# Altium PCB zhanji_2018-4-9-1200.PcbDoc (part 3 of 3)
Units mm, origin at the board's own origin, x right, y up, seen from the top; angles counter-clockwise.
Board outline 149.99 x 106.55 mm, 4 copper layers (Component Side, Ground Plane, POWER Layer 1, Solder Side), stack 0.844 mm thick; 249 components, 233 nets, 894 pads, 277 vias.
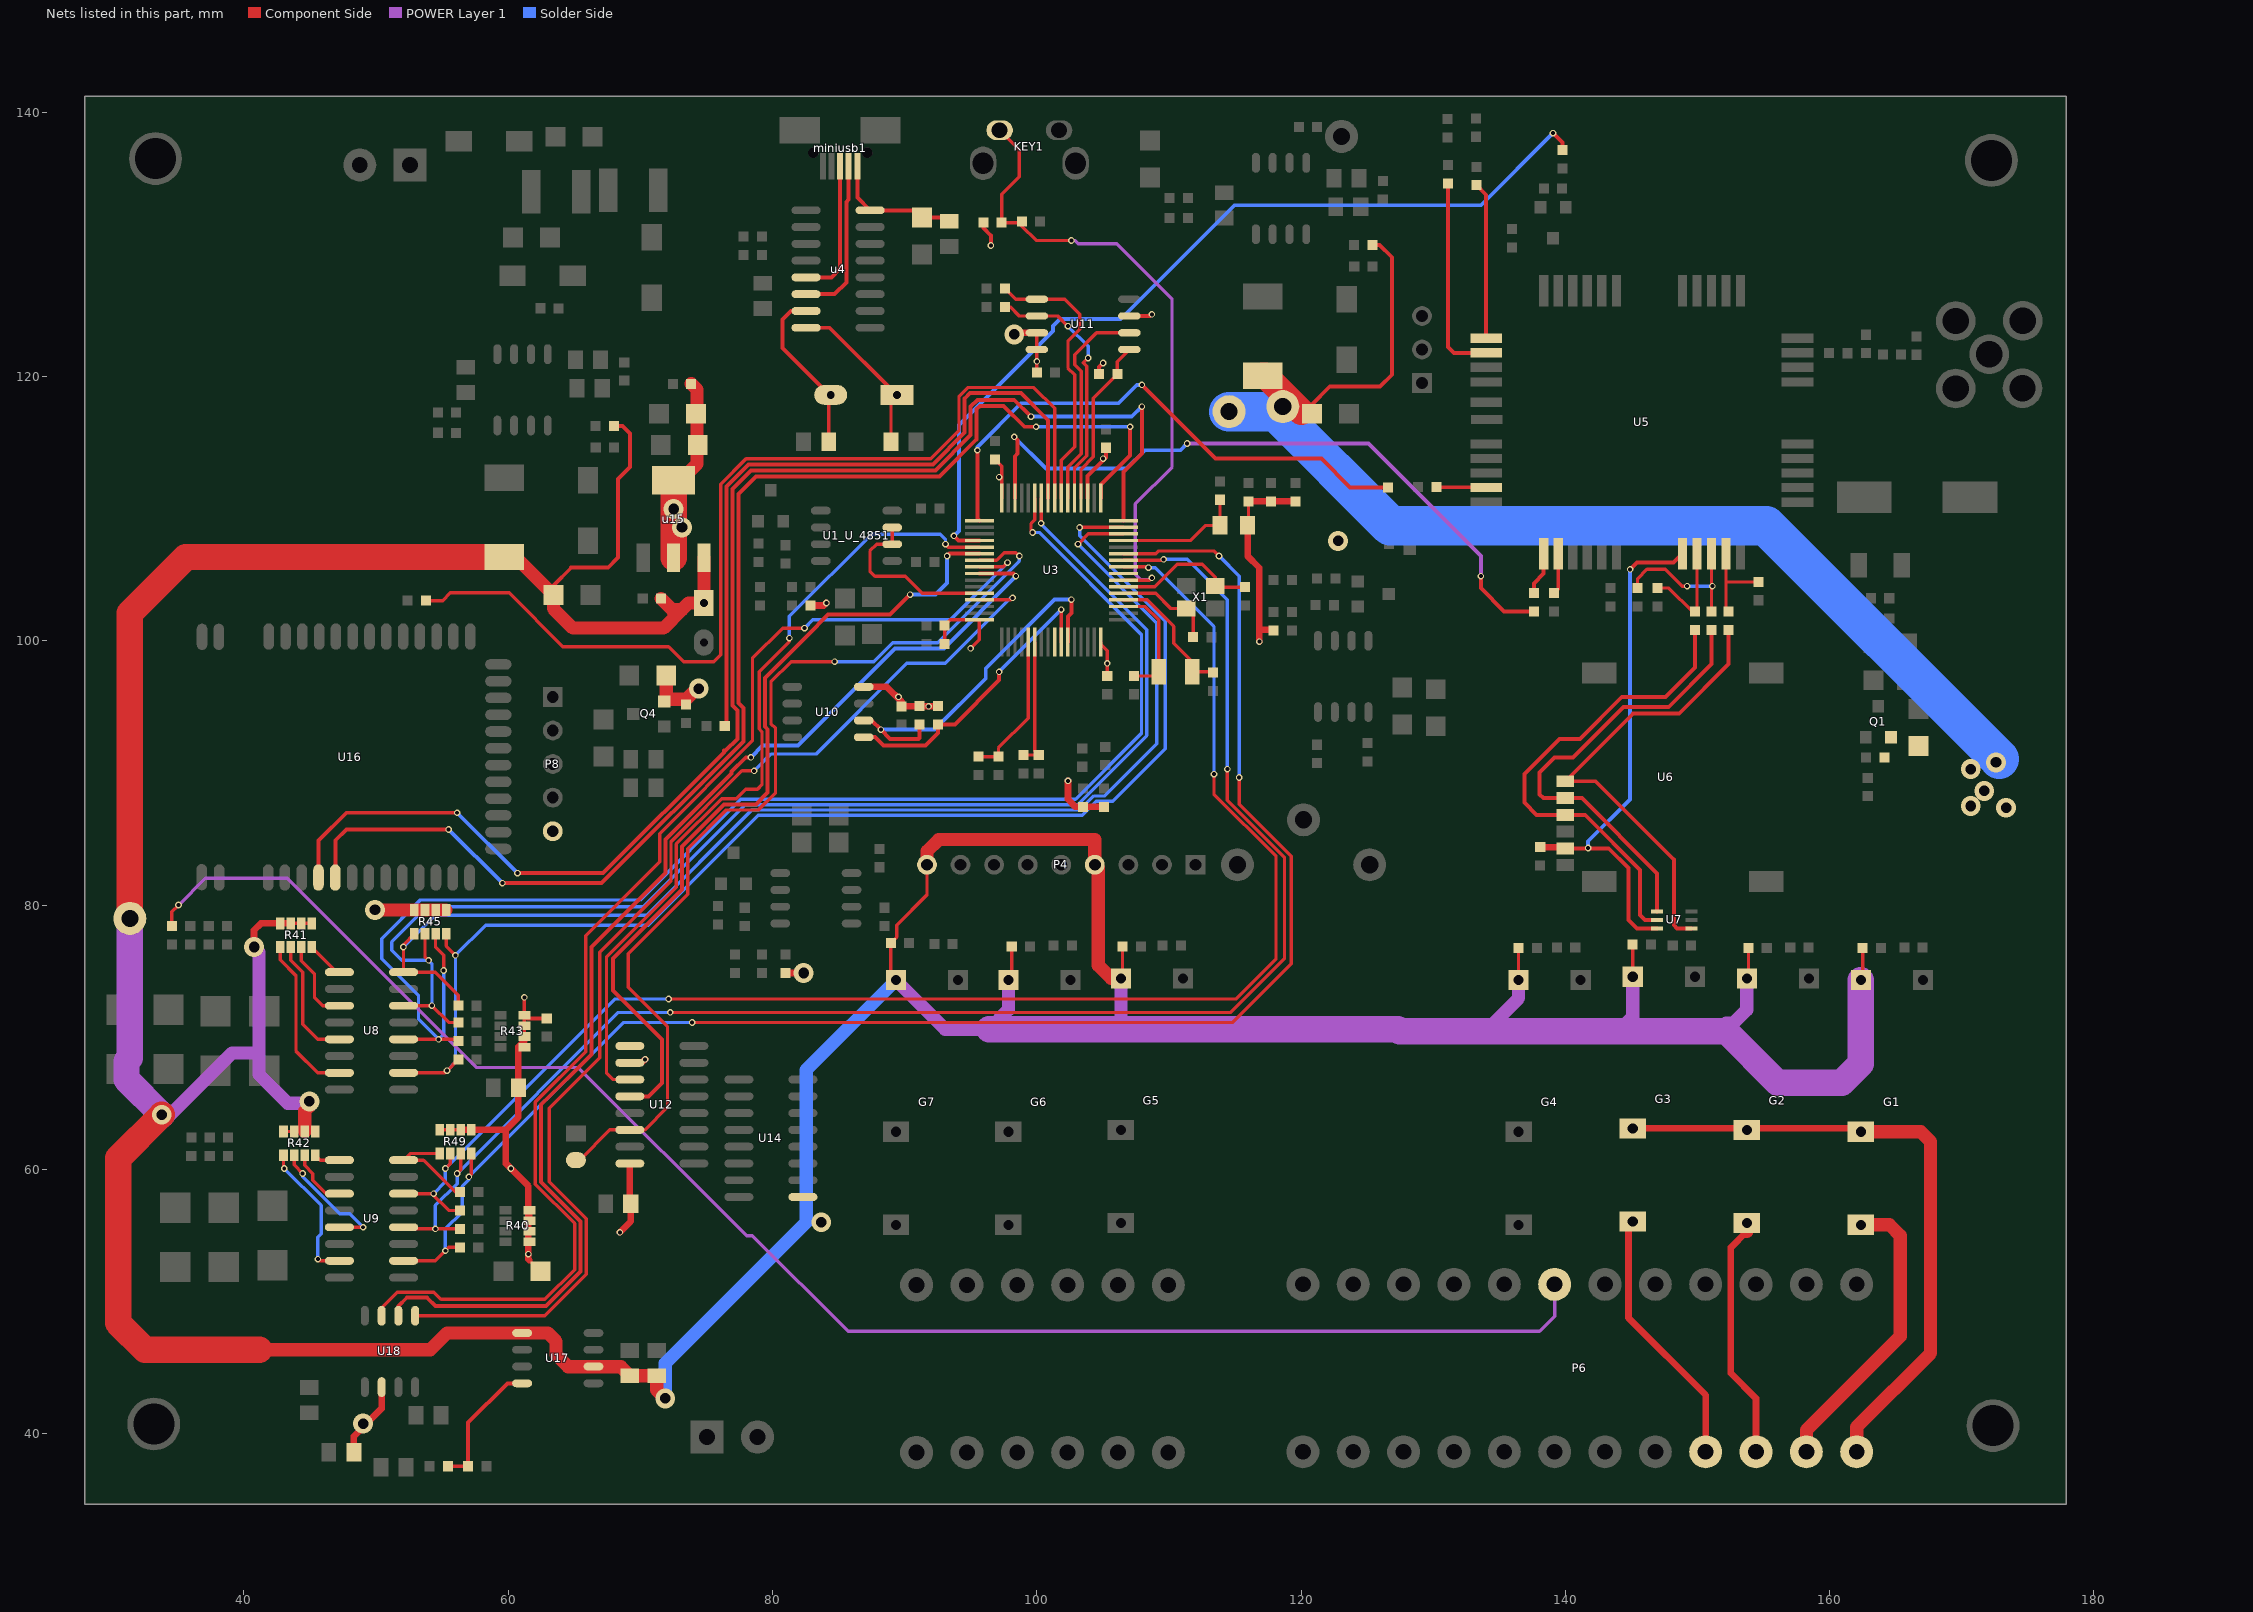
[diagram p5: the nets of this part, all layers, seen from the top]

## Via types
v1: diameter 0.5, hole 0.3, Component Side to Solder Side, 227 vias
v2: diameter 1.5, hole 0.8, Component Side to Solder Side, 50 vias

## Nets (pads, with @x,y where several pads share a name; then routed paths per layer and width w, separated by ;. In a path a pad name is that pad's centre, name@x,y a point inside that pad or via, vN(x,y) a via of type N, cw(c..) or ccw(c..) an arc to the next point about the centre after c; other vN are vias at no path point) (continued)
NetR32_1: R32.1 U3.30 | length 52.6
  Component Side w0.3: v1(98.298,115.443) 98.552,115.189 98.552,114.173 98.353,113.974 U3.30@98.353,110.8 ; v1(133.604,104.902) 133.604,103.991 135.371,102.224 R32.1@137.616,102.224
  POWER Layer 1 w0.3: v1(111.379,114.935) 125.095,114.935 133.604,106.426 v1(133.604,104.902)
  Solder Side w0.3: v1(98.298,115.443) 100.711,113.03 106.807,113.03 108.204,114.427 110.871,114.427 v1(111.379,114.935)
NetR33_2: R33.2 U5.12 | length 12.2
  Component Side w0.3: R33.2@133.274,134.495 134.015,133.753 U5.12@134.015,122.901 U5.12@133.691,122.901
NetR34_2: R34.2 U5.13 | length 15.5
  Component Side w0.3: R34.2@131.115,134.622 131.115,122.25 131.564,121.801 U5.13@134.015,121.801
NetR35_1: R35.1 U5.19 | length 3.8
  Component Side w0.254: R35.1@130.238,111.633 133.983,111.633 U5.19@134.015,111.601
NetR36_2: R36.2 U3.36 | length 66.5
  Component Side w0.3: v1(93.726,107.95) 94.076,107.6 U3.36@95.653,107.6 ; v1(139.065,138.43) 139.776,137.719 R36.2@139.776,137.136
  Solder Side w0.3: v1(93.726,107.95) 94.107,108.331 94.107,116.332 101.219,123.444 101.219,123.825 101.769,124.375 106.357,124.375 114.951,132.969 133.604,132.969 v1(139.065,138.43)
NetR37_2: R37.2 U3.33 | length 41.9
  Component Side w0.3: v1(95.504,114.427) 95.504,109.249 U3.33@95.653,109.1 ; v1(107.95,119.38) 113.538,113.792 121.539,113.792 123.722,111.609 R37.2@126.568,111.609
  Solder Side w0.3: v1(95.504,114.427) 95.504,114.681 98.806,117.983 106.172,117.983 107.569,119.38 v1(107.95,119.38)
NetR41_1: R41.1 U8.7 | length 12.3
  Component Side w0.254: R41.1@42.742,76.824 42.742,75.876 43.942,74.676 43.942,68.961 45.593,67.31 U8.7@47.232,67.31
NetR41_2: R41.2 U8.5 | length 9.5
  Component Side w0.254: R41.2@43.542,76.824 43.542,75.838 44.45,74.93 44.45,70.993 45.593,69.85 U8.5@47.232,69.85
NetR41_3: R41.3 U8.3 | length 6.4
  Component Side w0.254: R41.3@44.342,76.824 44.342,75.8 45.339,74.803 45.339,73.025 45.974,72.39 U8.3@47.232,72.39
NetR41_4: R41.4 U8.1 | length 2.9
  Component Side w0.254: R41.4@45.142,76.824 47.036,74.93 U8.1@47.232,74.93
NetR42_1: R42.1 U9.7 | length 10.8
  Component Side w0.254: R42.1@42.996,61.076 42.996,60.128 v1(43.053,60.071) ; v1(45.593,53.213) 45.72,53.086 U9.7@47.232,53.086
  Solder Side w0.254: v1(43.053,60.071) 45.847,57.277 45.847,55.118 45.593,54.864 v1(45.593,53.213)
NetR42_2: R42.2 U9.5 | length 9.9
  Component Side w0.254: R42.2@43.796,61.076 43.796,60.344 v1(44.45,59.69) ; U9.5@47.232,55.626 v1(49.022,55.626)
  Solder Side w0.254: v1(44.45,59.69) 44.45,59.436 47.244,56.642 48.006,56.642 v1(49.022,55.626)
NetR42_3: R42.3 U9.3 | length 4.6
  Component Side w0.254: R42.3@44.596,61.076 44.596,60.306 45.212,59.69 45.212,59.182 46.228,58.166 U9.3@47.232,58.166
NetR42_4: R42.4 U9.1 | length 2
  Component Side w0.254: R42.4@45.396,61.076 45.766,60.706 U9.1@47.232,60.706
NetR53_2: R53.2 U3.59 U10.6 | length 28.1
  Component Side w0.3: U10.6@86.901,93.98 87.503,93.98 v1(88.201,93.281) 88.9,92.583 91.059,92.583 91.134,92.658 R53.2@91.134,93.675 ; U3.59@102.353,99.9 102.353,101.845 102.616,102.108 v1(102.616,103.124)
  Solder Side w0.3: v1(88.201,93.281) 92.266,93.281 96.139,97.155 96.139,97.917 101.346,103.124 v1(102.616,103.124)
NetR54_2: R54.2 U3.58 U10.5 | length 22.7
  Component Side w0.3: U10.5@86.901,92.71 87.757,92.71 88.392,92.075 91.567,92.075 92.531,93.039 R54.2@92.531,93.675 93.801,93.675 97.155,97.029 v1(97.155,97.663) ; U3.58@101.853,99.9 v1(101.854,102.362) v1(101.854,102.362)
  Solder Side w0.3: v1(97.155,97.663) v1(101.854,102.362)
NetR55_2: R55.2 U3.20 U11.1 | length 12.8
  Component Side w0.254: U3.20@103.353,110.8 103.353,113.005 104.267,113.919 104.267,118.364 R55.2@106.096,120.193 106.096,121.138 U11.1@107.005,122.047
NetR58_2: R58.2 R61.2 U3.54 | length 9.8
  Component Side w0.254: R58.2@99.009,91.364 R61.2@100.152,91.364 99.853,91.663 U3.54@99.853,99.9
NetR59_2: R59.2 R60.2 U3.53 | length 11.1
  Component Side w0.254: R59.2@95.58,91.237 R60.2@97.104,91.237 97.104,91.897 99.353,94.146 U3.53@99.353,99.9
NetR63_2: R63.2 U3.39 U12.14 | length 74.5
  Component Side w0.254: R63.2@65.126,60.713 65.412,60.713 67.691,62.992 U12.14@69.203,62.992 70.358,62.992 72.055,64.689 72.055,70.82 69.088,73.787 69.088,76.327 73.579,80.818 73.579,84.278 76.504,87.203 78.917,87.203 80.233,88.519 80.233,93.376 79.883,93.726 79.883,96.901 81.407,98.425 v1(84.709,98.425) ; U3.39@95.653,106.1 96.956,106.1 97.536,106.68 98.425,106.68 v1(98.679,106.426)
  Solder Side w0.254: v1(84.709,98.425) 87.661,98.425 89.104,99.868 92.502,99.868 98.679,106.045 v1(98.679,106.426)
NetR68_2: R68.2 U3.24 | length 75.1
  Component Side w0.254: R68.2@53.772,103.048 55.042,103.048 55.626,103.632 60.071,103.632 64.135,99.568 72.136,99.568 73.279,98.425 75.565,98.425 76.085,98.945 76.085,111.869 77.996,113.78 91.966,113.78 94.119,115.933 94.119,118.503 94.788,119.172 99.776,119.172 101.353,117.595 U3.24@101.353,110.8
NetR69_1: R69.1 U3.25 | length 53.7
  Component Side w0.3: R69.1@76.391,93.547 76.512,93.668 76.512,111.692 78.173,113.353 92.143,113.353 94.546,115.756 94.546,118.326 94.965,118.745 98.806,118.745 100.853,116.698 U3.25@100.853,110.8
NetR73_1: R73.1 R74.2 U17.4 | length 10.2
  Component Side w0.3: R73.1@55.435,37.54 56.971,37.54 R74.2@56.972,37.541 56.972,40.843 59.944,43.815 U17.4@61.054,43.815
NetU1_U_4851_2: U1_U_4851.2 U1_U_4851.3 U3.44 | length 13.7
  Component Side w0.254: U1_U_4851.3@89.06,108.585 U1_U_4851.2@89.06,107.315 87.884,107.315 87.376,106.807 87.376,105.283 87.757,104.902 90.043,104.902 91.345,103.6 U3.44@95.653,103.6
NetU3_8: U3.8
NetU3_16: U3.16 U16.6 | length 105.7
  Component Side w0.3: U16.6@45.644,82.093 45.644,84.887 47.752,86.995 v1(56.134,86.995) ; v1(60.706,82.423) 67.183,82.423 76.327,91.567 76.327,91.694 76.454,91.694 77.343,92.583 77.343,94.742 76.962,95.123 76.962,111.506 78.359,112.903 92.329,112.903 94.996,115.57 94.996,117.729 95.504,118.237 98.298,118.237 v1(99.568,116.967) ; U3.16@106.553,109.1 106.553,112.776 107.95,114.173 v1(107.95,117.729)
  Solder Side w0.3: v1(56.134,86.995) v1(60.706,82.423) ; v1(99.568,116.967) 107.188,116.967 v1(107.95,117.729)
NetU3_17: U3.17 U16.7 | length 99.8
  Component Side w0.3: U16.7@46.914,82.093 46.914,84.887 47.752,85.725 v1(55.499,85.725) ; v1(59.563,81.661) 67.057,81.661 77.793,92.397 77.793,94.928 77.412,95.309 77.412,111.125 78.74,112.453 92.641,112.453 95.446,115.258 95.446,117.543 95.69,117.787 97.478,117.787 99.06,116.205 v1(99.949,116.205) ; U3.17@104.853,110.8 104.853,111.838 107.061,114.046 v1(107.061,116.205)
  Solder Side w0.3: v1(55.499,85.725) v1(59.563,81.661) ; v1(99.949,116.205) v1(107.061,116.205)
NetU3_37: U3.37 U12.11 | length 61.2
  Component Side w0.254: U12.11@69.203,66.802 67.945,66.802 67.437,67.31 67.437,76.073 72.725,81.361 72.725,84.632 76.15,88.057 77.262,88.057 77.978,88.773 78.867,88.773 79.202,89.108 79.202,93.137 78.994,93.345 78.994,97.663 81.28,99.949 v1(81.28,100.203) ; v1(93.091,107.315) 93.306,107.1 U3.37@95.653,107.1
  Solder Side w0.254: v1(81.28,100.203) 81.28,101.854 87.503,108.077 92.71,108.077 93.091,107.696 v1(93.091,107.315)
NetU3_38: U3.38 U12.12 | length 62.7
  Component Side w0.3: U12.12@69.203,65.532 70.612,65.532 71.628,66.548 71.628,69.85 67.945,73.533 67.945,75.977 73.152,81.184 73.152,84.455 76.327,87.63 78.74,87.63 79.629,88.519 79.629,93.314 79.421,93.522 79.421,97.201 82.635,100.415 82.651,100.415 84.217,101.981 88.9,101.981 v1(90.424,103.505) ; v1(93.218,106.426) 93.392,106.6 U3.38@95.653,106.6
  Solder Side w0.3: v1(90.424,103.505) 92.329,103.505 93.218,104.394 v1(93.218,106.426)
NetU3_40: U3.40 U18.3 | length 95.7
  Component Side w0.254: U18.3@50.419,48.928 50.419,49.53 51.608,50.719 54.356,50.719 54.91,50.165 62.769,50.165 65.024,52.42 65.024,55.911 62.057,58.878 62.057,65.105 65.867,68.915 65.867,77.678 71.467,83.278 71.467,85.42 78.486,92.439 78.486,98.679 80.772,100.965 v1(82.423,100.965) ; U3.40@95.653,105.6 97.472,105.6 v1(97.79,105.918)
  Solder Side w0.254: v1(82.423,100.965) 83.058,101.6 93.472,101.6 v1(97.79,105.918)
NetU3_41: U3.41 U18.2 | length 91.7
  Component Side w0.3: U18.2@51.689,48.928 51.689,49.657 52.324,50.292 53.848,50.292 54.483,49.657 62.865,49.657 65.486,52.278 65.486,56.053 62.484,59.055 62.484,64.897 66.294,68.707 66.294,76.835 71.894,82.435 71.894,84.976 76.898,89.98 76.898,90.106 77.978,91.186 v1(78.359,91.186) ; U3.41@95.653,105.1 98.227,105.1 v1(98.425,104.902)
  Solder Side w0.3: v1(78.359,91.186) 79.248,92.075 81.915,92.075 89.281,99.441 92.964,99.441 v1(98.425,104.902)
NetU3_45: U3.45 U18.1 | length 88
  Component Side w0.254: U18.1@52.959,48.928 62.771,48.928 65.913,52.07 65.913,56.261 63.119,59.055 63.119,64.643 66.929,68.453 66.929,76.454 72.321,81.846 72.321,84.799 77.692,90.17 v1(78.613,90.17) ; U3.45@95.653,103.1 98.02,103.1 v1(98.171,103.251)
  Solder Side w0.254: v1(78.613,90.17) 79.883,91.44 83.312,91.44 90.17,98.298 93.091,98.298 98.044,103.251 v1(98.171,103.251)
NetU12_9: U12.9
NRST: C13.2 KEY1.2 R15.1 U3.7 | length 49.5
  Component Side w0.254: KEY1.2@97.191,138.644 98.679,137.156 98.679,135.128 97.346,133.794 R15.1@97.346,131.647 98.765,131.647 C13.2@98.87,131.751 98.87,131.381 99.949,130.302 v1(102.616,130.302) ; U3.7@106.553,104.6 108.537,104.6 v1(108.712,104.775)
  POWER Layer 1 w0.254: v1(102.616,130.302) 102.87,130.302 103.124,130.048 106.045,130.048 110.236,125.857 110.236,113.157 107.442,110.363 107.442,105.029 107.823,104.648 108.585,104.648 v1(108.712,104.775)
OSC1: C14.2 U3.3 Y1.2 | length 9
  Component Side w0.254: U3.3@106.553,102.6 108.22,102.6 109.22,101.6 109.22,97.668 Y1.2@109.215,97.663 108.897,97.346 C14.2@107.367,97.346
OSC2: C21.2 U3.4 Y1.1 | length 10.2
  Component Side w0.254: U3.4@106.553,103.1 108.355,103.1 110.363,101.092 110.363,99.822 111.765,98.42 Y1.1@111.765,97.663 113.273,97.663 C21.2@113.336,97.599
OSC-IN: C7.1 U3.5 X1.3 | length 7.6
  Component Side w0.254: U3.5@106.553,103.6 108.998,103.6 110.147,102.451 X1.3@111.295,102.451 111.836,101.91 C7.1@111.836,100.279
OSC-OUT: C8.1 U3.6 X1.1 | length 11
  Component Side w0.254: U3.6@106.553,104.1 108.926,104.1 110.617,105.791 112.522,105.791 113.495,104.818 X1.1@113.495,104.151 113.582,104.064 C8.1@115.773,104.064
SIGLE1: D14.K R45.8 U3.15 U8.10 | length 98.4
  Component Side w0.254: U8.10@52.082,67.31 55.205,67.31 v1(55.372,67.477) D14.K@56.223,68.328 ; R45.8@55.302,77.84 55.302,76.905 v1(56.007,76.2) ; v1@103.266,108.6 U3.15@106.553,108.6
  Solder Side w0.254: v1(55.372,67.477) 56.007,68.112 v1(56.007,76.2) 58.293,78.486 70.612,78.486 78.925,86.799 103.436,86.799 104.498,87.861 105.768,87.861 109.728,91.821 109.728,101.473 103.251,107.95 v1(103.251,108.585)
SIGLE2: D13.K R45.7 U3.27 U8.12 | length 107.6
  Component Side w0.254: U8.12@52.082,69.85 v1(54.737,69.85) 56.098,69.85 D13.K@56.223,69.725 ; R45.7@54.502,77.84 54.502,76.816 55.118,76.2 v1(55.118,75.057) ; v1(99.695,108.204) 99.568,108.331 99.568,108.886 99.853,109.171 U3.27@99.853,110.8
  Solder Side w0.254: v1(55.118,75.057) 55.118,70.231 v1(54.737,69.85) 53.213,71.374 53.213,73.152 50.419,75.946 50.419,77.47 53.34,80.391 69.977,80.391 77.597,88.011 102.934,88.011 107.927,93.004 107.927,100.48 100.203,108.204 v1(99.695,108.204)
SIGLE3: D12.K R45.6 U3.26 U8.14 | length 99
  Component Side w0.254: U8.14@52.082,72.39 v1(54.229,72.39) 55.497,71.122 D12.K@56.223,71.122 ; R45.6@53.702,77.84 53.702,76.092 v1(53.975,75.819) ; v1(100.33,108.902) 100.353,108.926 U3.26@100.353,110.8
  Solder Side w0.254: v1(54.229,72.39) 54.229,75.565 v1(53.975,75.819) 51.943,75.819 51.181,76.581 51.181,77.216 53.848,79.883 70.231,79.883 77.955,87.607 103.101,87.607 108.331,92.837 108.331,100.838 100.33,108.839 v1(100.33,108.902) v1@100.33,108.966
SIGLE4: D11.K R45.5 U3.14 U8.16 | length 93.6
  Component Side w0.254: R45.5@52.902,77.84 52.082,77.02 U8.16@52.082,74.93 54.483,74.93 56.223,73.19 D11.K@56.223,72.392 ; v1(103.124,107.315) 103.909,108.1 U3.14@106.553,108.1
  Solder Side w0.254: v1(52.07,76.835) 54.483,79.248 70.485,79.248 78.44,87.203 103.268,87.203 104.33,88.265 105.156,88.265 109.093,92.202 109.093,101.346 v1(103.124,107.315)
SIGLE5: D10.K R49.8 U3.11 U9.10 | length 122.4
  Component Side w0.254: U9.10@52.082,53.086 54.483,53.086 55.501,54.104 D10.K@56.35,54.104 ; v1(57.023,59.436) 57.207,59.62 R49.8@57.207,61.203 ; v1(73.914,71.12) 114.808,71.12 119.253,75.565 119.253,83.693 115.316,87.63 v1(115.316,89.662) ; U3.11@106.553,106.6 109.013,106.6 109.22,106.807 113.411,106.807 v1(113.792,106.426)
  Solder Side w0.254: v1(55.245,53.848) 55.245,55.499 56.515,56.769 56.515,58.715 57.023,59.223 v1(57.023,59.436) 68.707,71.12 v1(73.914,71.12) ; v1(113.792,106.426) 115.316,104.902 v1(115.316,89.662)
SIGLE6: D9.K R49.7 U3.10 U9.12 | length 118.2
  Component Side w0.254: U9.12@52.082,55.626 52.207,55.501 D9.K@56.35,55.501 ; v1(56.134,59.69) 56.407,59.963 R49.7@56.407,61.203 ; v1(72.263,71.882) 114.681,71.882 118.745,75.946 118.745,83.629 114.427,87.947 v1(114.427,90.297) ; U3.10@106.553,106.1 v1@109.529,106.1
  Solder Side w0.254: v1(54.483,55.499) 54.483,57.277 56.134,58.928 v1(56.134,59.69) 68.326,71.882 v1(72.263,71.882) ; v1(109.601,106.172) 111.379,106.172 114.427,103.124 v1(114.427,90.297)
SIGLE7: D8.K R49.6 U3.9 U9.14 | length 113.6
  Component Side w0.254: U9.14@52.082,58.166 54.229,58.166 55.497,56.898 D8.K@56.35,56.898 ; v1(55.245,60.071) 55.607,60.433 R49.6@55.607,61.203 ; v1(72.136,72.898) 115.062,72.898 118.11,75.946 118.11,83.693 113.411,88.392 v1(113.411,89.916) ; U3.9@106.553,105.6 108.395,105.6 v1(108.458,105.537)
  Solder Side w0.254: v1(54.356,58.166) 55.245,59.055 v1(55.245,60.071) 68.072,72.898 v1(72.136,72.898) ; v1(108.458,105.537) 108.966,105.537 113.411,101.092 v1(113.411,89.916)
SIGLE8: D7.K R49.5 U9.16 | length 8.2
  Component Side w0.254: R49.5@54.807,61.203 52.579,61.203 U9.16@52.082,60.706 53.594,60.706 56.005,58.295 D7.K@56.35,58.295
SIM_CLK: C35.2 R28.2 U5.30 | length 6.9
  Component Side w0.254: U5.30@152.165,106.601 152.165,104.498 ; R28.2@152.349,102.211 152.165,102.395 152.165,104.498 ; C35.2@154.611,104.457 152.206,104.457 152.165,104.498
SIM_CLK0: R28.1 U6.6 U7.1 | length 35.7
  Component Side w0.3: U7.1@149.554,78.232 148.463,78.232 148.209,78.486 148.209,83.439 142.27,89.378 U6.6@140.003,89.378 145.113,94.488 148.59,94.488 152.348,98.246 R28.1@152.348,100.827
SIM_DATA: C34.2 R30.2 U5.29 | length 11.6
  Component Side w0.254: C34.2@145.467,104.002 145.467,104.7 146.177,105.41 147.574,105.41 148.844,104.14 v1(149.225,104.14) ; U5.29@151.065,106.601 151.065,102.225 R30.2@151.079,102.211
  Solder Side w0.254: v1(149.225,104.14) v1(151.13,104.14)
SIM_DATA0: R30.1 U6.5 U7.4 | length 34.9
  Component Side w0.3: U7.4@146.954,79.532 146.954,82.408 141.254,88.108 U6.5@140.003,88.108 138.333,88.108 138.049,88.392 138.049,90.043 139.192,91.186 140.589,91.186 144.399,94.996 147.828,94.996 151.078,98.246 R30.1@151.078,100.827
SIM_RST: C33.2 R29.2 U5.28 | length 8
  Component Side w0.254: C33.2@146.991,104.002 147.839,104.002 149.63,102.211 R29.2@149.809,102.211 149.965,102.367 U5.28@149.965,106.601
SIM_RST0: R29.1 U6.4 U7.5 | length 37
  Component Side w0.3: U7.5@146.954,78.882 146.035,78.882 145.669,79.248 145.669,82.677 141.508,86.838 U6.4@140.003,86.838 137.825,86.838 136.906,87.757 136.906,89.916 139.573,92.583 141.097,92.583 144.272,95.758 147.574,95.758 149.808,97.992 R29.1@149.808,100.827
SIM_RXD2: R32.2 U5.21 | length 3.3
  Component Side w0.3: R32.2@137.617,103.608 137.617,104.343 138.365,105.091 U5.21@138.365,106.601
SIM_TXD2: R31.2 U5.22 | length 3.1
  Component Side w0.3: R31.2@139.141,103.608 139.465,103.932 U5.22@139.465,106.601
SIM_VCC: C32.2 U5.27 U6.2 U7.6 | length 40.6
  Component Side w0.3: U6.2@140.003,84.298 143.286,84.298 144.78,82.804 144.78,78.867 145.415,78.232 U7.6@146.954,78.232 ; v1(144.907,105.41) 145.415,105.918 148.182,105.918 U5.27@148.865,106.601
  Component Side w0.5: C32.2@138.101,84.391 139.91,84.391 U6.2@140.003,84.298
  Solder Side w0.3: v1(141.732,84.328) 141.732,84.836 144.907,88.011 v1(144.907,105.41)
SPI-MISO: U3.22 U11.2 | length 16.3
  Component Side w0.254: U3.22@102.353,110.8 102.353,113.148 103.378,114.173 103.378,120.396 102.87,120.904 102.87,121.666 104.521,123.317 U11.2@107.005,123.317
SPI-MOSI: R57.2 U3.23 U11.5 | length 21.4
  Component Side w0.254: R57.2@97.587,126.67 98.4,125.857 U11.5@100.005,125.857 102.108,125.857 103.251,124.714 103.251,123.571 102.362,122.682 102.362,120.65 102.87,120.142 102.87,114.681 101.853,113.664 U3.23@101.853,110.8
SPI-MOSI2: U3.57
SPI-SCK: R56.2 U3.21 U11.6 | length 19.7
  Component Side w0.254: R56.2@97.587,125.273 97.993,125.273 98.679,124.587 U11.6@100.005,124.587 101.6,124.587 v1(102.362,123.825) ; U3.21@102.853,110.8 102.853,113.077 103.782,114.006 103.782,120.8 103.528,121.054 v1(103.886,121.412)
  Solder Side w0.254: v1(102.362,123.825) 103.886,122.301 v1(103.886,121.412)
UD+: miniusb1.3 u4.5 | length 10.6
  Component Side w0.3: u4.5@82.538,127.508 84.455,127.508 85.12,128.173 miniusb1.3@85.12,135.934
UD-: miniusb1.2 u4.6 | length 12.3
  Component Side w0.3: u4.6@82.538,126.238 84.709,126.238 85.598,127.127 85.598,133.223 85.77,133.395 miniusb1.2@85.77,135.934
UP_PR_A: P6.19 R48.2 | length 123.9
  Component Side w0.254: R48.2@34.544,78.422 34.544,79.502 v1(35.052,80.01)
  POWER Layer 1 w0.254: v1(35.052,80.01) 37.084,82.042 43.29,82.042 57.618,67.714 65.318,67.714 78.041,54.991 78.486,54.991 85.725,47.752 138.049,47.752 139.192,48.895 P6.19@139.192,51.308
VCC4.0V: C6_U_dc_dc1.2 L1_U_dc_dc1.1 pad.3 Q1.1 R8_U_dc_dc1.2 R23.1 R26.1 | length 91
  Component Side w0.3: C6_U_dc_dc1.2@120.825,117.904 122.174,119.253 125.984,119.253 126.873,120.142 126.873,129.032 125.933,129.972 R8_U_dc_dc1.2@125.4,129.972
  Component Side w2: L1_U_dc_dc1.1@117.094,120.063 117.3,120.063 120.015,117.348
  Solder Side w3: pad.3@114.554,117.348 118.11,117.348 126.746,108.712 155.194,108.712 v2@172.847,91.059
  other v2: 173.355,87.376 170.688,87.503 171.704,88.646 170.688,90.297 172.593,90.805 122.809,107.569
VCC_5V: C6_U_dc_dc2.2 C47.2 C48.1 C53.2 C54.2 G1.2 G2.2 G3.2 G4.2 G5.2 G6.2 G7.2 L1_U_dc_dc2.1 P4.4 P4.9 pad.4 R8_U_dc_dc2.2 R41.5 R41.6 R41.7 R41.8 R42.5 R42.6 R42.7 R42.8 R231.1 R232.1 R233.1 R234.1 R235.1 R236.1 R237.1 U14.9 u15.3 U17.1 U17.6 | length 410
  Component Side w0.254: R42.8@42.996,62.876 R42.7@43.796,62.876 R42.6@44.596,62.876 ; R41.7@43.542,78.624 R41.6@44.342,78.624 R41.5@45.142,78.624 ; G7.2@89.348,74.331 88.963,74.715 R231.1@88.963,77.141 89.408,77.586 89.408,78.486 91.694,80.772 P4.9@91.694,83.058 ; G6.2@97.857,74.331 98.108,74.581 R232.1@98.108,76.887 ; G5.2@106.366,74.458 106.489,74.581 R233.1@106.489,76.887 ; R234.1@136.462,76.76 136.462,74.334 G4.2@136.465,74.331 ; R235.1@145.097,77.014 145.097,74.588 G3.2@145.101,74.585 ; G2.2@153.737,74.458 153.861,74.581 R236.1@153.861,76.76 ; G1.2@162.373,74.331 162.496,74.454 R237.1@162.496,76.76
  Component Side w0.3: C6_U_dc_dc2.2@63.421,103.48 63.421,104.188 64.77,105.537 67.564,105.537 68.326,106.299 68.326,112.268 69.215,113.157 69.215,115.697 68.656,116.256 R8_U_dc_dc2.2@67.996,116.256
  Component Side w0.5: v2(40.767,76.835) 40.767,78.105 41.286,78.624 R41.8@42.742,78.624 R41.7@43.542,78.624
  Component Side w1: v2(33.782,64.135) v2@33.782,64.262 ; 41.148,46.355 54.102,46.355 55.372,47.625 U17.1@61.054,47.625 62.992,47.625 63.627,46.99 63.627,45.974 64.532,45.069 68.535,45.069 C54.2@69.215,44.389 C53.2@71.247,44.389 71.247,43.307 v2(71.882,42.672) ; R42.6@44.596,62.876 44.596,64.408 v2@44.958,64.77 ; L1_U_dc_dc2.1@59.69,106.347 60.553,106.347 C6_U_dc_dc2.2@63.421,103.48 63.421,102.441 64.897,100.965 71.755,100.965 73.152,102.362 ; C47.2@71.564,103.199 72.401,102.362 73.152,102.362 ; u15.3@74.817,106.295 74.817,102.884 C48.1@74.803,102.87 73.66,102.87 73.152,102.362 ; G7.2@89.348,74.331 G7.2@89.571,74.331 ; P4.9@91.694,83.058 91.694,84.074 92.583,84.963 104.394,84.963 P4.4@104.394,83.058 104.648,82.804 104.648,75.438 105.628,74.458 G5.2@106.366,74.458
  Component Side w2: pad.4@31.369,78.994 31.369,102.108 35.608,106.347 L1_U_dc_dc2.1@59.69,106.347 ; v2(33.782,64.135) 30.48,60.833 30.48,48.387 32.512,46.355 41.148,46.355
  POWER Layer 1 w1: v2(33.782,64.135) 34.417,64.135 39.105,68.823 41.01,68.823 41.148,68.961 ; v2(40.767,76.835) 41.148,76.454 41.148,68.961 ; v2(44.958,65.151) 44.82,65.013 43.315,65.013 41.148,67.18 41.148,68.961 ; G7.2@89.348,74.331 93.067,70.612 96.393,70.612 97.857,72.076 G6.2@97.857,74.331 ; 105.664,70.612 106.366,71.314 G5.2@106.366,74.458 ; 134.112,70.612 136.465,72.965 G4.2@136.465,74.331 ; 144.145,70.612 145.101,71.568 G3.2@145.101,74.585 ; 151.55,70.455 152.151,71.056 152.718,71.056 153.737,72.076 G2.2@153.737,74.458 ; 162.306,67.945 162.306,74.264 G1.2@162.373,74.331
  POWER Layer 1 w2: pad.4@31.369,78.994 31.369,68.437 31.112,68.18 31.112,66.805 v2(33.782,64.135) ; 96.393,70.612 105.664,70.612 127.321,70.612 127.478,70.455 151.55,70.455 152.176,70.455 156.083,66.548 160.909,66.548 162.306,67.945 162.373,68.012 G1.2@162.373,74.331
  Solder Side w1: v2(71.882,42.672) 71.882,45.339 82.55,56.007 82.55,67.533 G7.2@89.348,74.331
  other v2: 83.693,56.007
VDD: C9.2 C10.2 C11.2 C15.2 C16.2 C17.2 C18.2 C19.2 C20.2 C37.1 C38.1 C39.1 C40.2 C43.1 C49.1 C50.2 C56.1 D39.2 L2.1 P8.5 Q4.1 R1_U_4851.1 R1_U_4852.1 R1_U_4853.1 R15.2 R16.1 R17.1 R40.5 R40.6 R40.7 R40.8 R43.5 R43.6 R43.7 R43.8 R45.1 R45.2 R45.3 R45.4 R49.1 R49.2 R49.3 R49.4 R53.1 R54.1 R55.1 R70.1 R72.1 U3.19 U3.32 U3.48 U3.64 U10.8 U11.3 U11.7 U11.8 U12.10 U12.16 u15.2 U18.6 | length 124.8
  Component Side w0.254: 61.225,69.723 R43.6@61.225,70.06 R43.7@61.225,70.86 R43.8@61.225,71.66 v1@61.225,73.163 ; 61.606,56.515 R40.7@61.606,56.128 R40.6@61.606,55.328 R40.5@61.606,54.528 61.606,53.13 C37.1@62.436,52.3 ; C19.2@93.027,99.77 C16.2@93.027,101.167 93.461,101.6 U3.48@95.653,101.6 95.653,100.098 v1(94.996,99.441) ; C17.2@96.849,113.728 97.353,113.224 U3.32@97.353,110.8 ; U11.7@100.005,123.317 100.013,123.309 C40.2@100.013,120.321 ; U3.64@104.853,99.9 104.853,99.744 105.335,99.262 C15.2@105.335,97.346 ; L2.1@115.96,108.737 116.026,108.803 C11.2@116.026,110.553
  Component Side w0.3: R49.4@54.807,63.003 R49.3@55.607,63.003 R49.2@56.407,63.003 ; R43.8@61.225,71.66 61.447,71.438 C18.2@62.917,71.438 ; R15.2@95.961,131.648 95.961,131.242 96.52,130.683 v1(96.52,129.921) ; U3.19@103.853,110.8 103.853,112.489 105.231,113.867 C20.2@105.231,114.617 ; R55.1@104.712,120.194 104.712,120.713 v1(105.029,121.031) ; U11.3@107.005,124.587 108.585,124.587 v1(108.712,124.714)
  Component Side w0.5: C56.1@48.321,38.608 48.321,39.812 50.419,41.91 U18.6@50.419,43.528 ; R49.2@56.407,63.003 R49.1@57.207,63.003 59.828,63.003 ; 61.225,69.723 60.767,69.265 C38.1@60.767,66.167 60.767,63.942 59.828,63.003 ; 61.606,53.13 61.53,53.206 61.53,56.591 ; 61.606,56.515 61.53,56.591 ; v1(68.453,55.245) 69.276,56.068 C43.1@69.276,57.404 69.203,57.477 U12.16@69.203,60.452 ; U12.10@69.203,68.072 70.104,68.072 v1(70.358,68.326) ; R1_U_4852.1@80.974,74.867 v2(82.359,74.867) ; R1_U_4851.1@82.879,102.679 83.883,102.679 v1(84.074,102.87) ; U10.8@86.901,96.52 88.646,96.52 89.763,95.403 C39.1@89.763,95.047 92.52,95.047 R54.1@92.533,95.059 ; v2@98.425,123.317 U11.7@100.005,123.317 ; v1(102.362,89.408) 102.362,88.011 102.933,87.439 R16.1@103.491,87.439 R17.1@105.104,87.439 ; L2.1@115.96,108.737 115.96,106.417 116.84,105.537 116.84,100.838 ; C11.2@116.026,110.553 C9.2@119.582,110.553 ; v1(116.84,99.949) 116.84,100.838 ; R1_U_4853.1@117.919,100.796 117.878,100.838 116.84,100.838 ; 59.828,63.003 59.828,60.441 61.53,58.739 61.53,56.591
  Component Side w1: v2(49.922,79.64) R45.4@52.902,79.64 R45.3@53.702,79.64 R45.2@54.502,79.64 R45.1@55.302,79.64 ; R72.1@71.961,97.384 71.961,95.58 73.482,95.58 v2@74.168,96.266 ; u15.2@72.517,112.145 73.029,112.145 74.295,113.411 74.295,119.01 C50.2@73.85,119.455
  Component Side w2: u15.2@72.517,106.295 u15.2@72.517,112.145
  other v1: 61.53,53.594 60.198,60.071 61.225,73.025 91.821,95.047 89.535,95.758 105.335,98.304 97.155,112.395 105.029,113.792 100.013,121.158
  other v2: 49.022,40.767 74.422,96.393 73.152,108.585 72.517,109.982 98.298,123.19
VDDA: C12.2 L2.2 U3.13 | length 9.7
  Component Side w0.254: U3.13@106.553,107.6 111.664,107.6 112.801,108.737 L2.2@113.86,108.737 113.867,108.744 C12.2@113.867,110.68
VIN: C22.2 C23.2 miniusb1.1 u4.16 | length 10.1
  Component Side w0.3: miniusb1.1@86.42,135.934 86.42,133.556 u4.16@87.388,132.588 90.758,132.588 C22.2@91.314,132.032 93.099,132.032 C23.2@93.371,131.76
XI: C24.2 u4.7 Y2.2 | length 12.6
  Component Side w0.254: C24.2@84.262,115.062 Y2.2@84.262,118.472
  Component Side w0.3: u4.7@82.538,124.968 81.407,124.968 80.772,124.333 80.772,122.174 Y2.2@84.328,118.618
XO: C26.2 u4.8 Y2.1 | length 12.1
  Component Side w0.254: C26.2@88.966,115.062 Y2.1@88.966,118.176
  Component Side w0.3: u4.8@82.538,123.698 84.328,123.698 Y2.1@89.408,118.618
ZJ_COMM: G1.3 G2.3 G3.3 P6.1 | length 48.7
  Component Side w0.5: G3.3@145.101,63.105 162.119,63.105 G1.3@162.373,62.851
  Component Side w1: P6.1@162.052,38.633 162.052,40.513 167.64,46.101 167.64,62.103 166.892,62.851 G1.3@162.373,62.851
ZJ_DOWN: G3.4 P6.4 | length 20
  Component Side w0.5: G3.4@145.101,56.065 144.78,55.744 144.78,48.768 150.622,42.926 P6.4@150.622,38.633
ZJ_STOP: G1.4 P6.2 | length 22.6
  Component Side w1: P6.2@158.242,38.633 158.242,40.259 165.354,47.371 165.354,54.991 164.534,55.811 G1.4@162.373,55.811
ZJ_UP: G2.4 P6.3 | length 18.6
  Component Side w0.5: G2.4@153.737,55.312 152.527,54.102 152.527,44.577 154.432,42.672 P6.3@154.432,38.633
  Component Side w1: G2.4@153.737,55.312 G2.4@153.737,55.938
pads on no net: KEY1.3 miniusb1. miniusb1.0 P5.6 P6.9 P6.10 P6.11 P6.12 P6.23 s1.1 s2.1 s3.1 s4.1 U3.2 u4.9 u4.10 u4.11 u4.12 u4.13 u4.14 u4.15 U5.2 U5.3 U5.4 U5.5 U5.6 U5.7 U5.8 U5.9 U5.16 U5.17 U5.18 U5.23 U5.24 U5.25 U5.32 U5.41 U5.42 U6. U6.3 U7.3 U9.2 U16.4 U16.5 U16.8 U16.9 U16.10 U16.11 U16.12 U16.13 U16.14 U16.15 U16.16 U16.17 U16.18 U16.19 U16.22 U16.23 U16.24 U16.25 U16.26 U16.28 U16.30 U16.31 U16.33 U16.34 U16.35 U16.36 U16.37 U16.38 U16.39 U18.4

## Polygon pours and split planes (outlines as drawn)
VDD on POWER Layer 1 "Top Layer-No Net" (hatched 90Degree grid 0.508 track 0.203, remove dead copper, pour order 0): 20.283,149.117 21.553,150.387 189.828,150.387 189.828,36.087 185.129,31.388 183.224,29.483 25.236,29.483
GND on Solder Side "Top Layer-No Net" (hatched 90Degree grid 0.508 track 0.203, remove dead copper, pour order 4): 24.708,144.272 27.375,146.939 182.823,146.939 182.823,30.734 185.236,28.321 182.823,30.734 113.354,30.734 113.354,50.292 104.972,58.674 96.971,66.675 96.971,82.296 96.971,86.106 88.97,94.107 87.7,95.377 79.699,95.377 79.699,112.268 80.334,112.903 78.937,114.3 78.937,119.253 21.279,119.253 21.152,119.38
VCC_5V on Solder Side "Top Layer-No Net" (hatched 90Degree grid 0.508 track 0.203, remove dead copper, pour order 2): 78.74,114.046 20.447,114.046 20.066,114.427 18.796,113.157 18.796,21.463 97.917,21.463 107.823,31.369
GND on Component Side "Top Layer-No Net" (hatched 90Degree grid 0.508 track 0.203, remove dead copper, pour order 6): 19.902,147.701 20.156,147.447 180.811,147.447 180.811,30.734 183.605,27.94 180.43,24.765 19.521,24.765
GND on Ground Plane (split plane): 177.417,35.181 28.45,35.181 28.45,140.714 177.417,140.714

## Keep-outs
Keep-Out Layer:
  lines w0.05: 27.94,34.671 177.927,34.671 177.927,141.097 177.8,141.224 27.94,141.224 27.94,34.671

## Other copper
Component Side:
  rectangle net VCC_5V: 81.026,55.88 84.836,57.912
  rectangle net GND: 158.242,123.063 168.783,125.73
  rectangle net GND: 153.162,122.809 159.385,128.397
  rectangle net GND: 156.464,115.316 160.274,121.031
  rectangle net GND: 156.464,113.411 168.402,116.205
  rectangle net GND: 167.386,110.236 176.403,119.761
  rectangle net GND: 164.084,101.346 167.64,107.061
  rectangle net GND: 156.337,100.711 158.242,107.442
  rectangle net GND: 152.908,105.918 157.988,107.696
  rectangle net GND: 81.915,134.366 83.82,137.541
  rectangle net NetC4_U_dc_dc1_2: 107.188,137.414 118.364,139.573
  rectangle net NetC29_1: 156.083,111.125 164.719,113.03
  rectangle net NetC29_1: 160.147,99.06 163.449,112.141
  rectangle net NetC29_1: 162.433,98.806 166.878,100.838
  rectangle net NetQ1_3: 161.925,94.742 167.386,97.79
  rectangle net VCC4.0V: 163.957,85.598 174.498,93.091
  rectangle net VCC4.0V: 169.672,85.598 174.498,91.948
  rectangle net VCC4.0V: 113.157,116.078 119.507,120.904
  rectangle net GND: 120.396,119.888 124.333,122.936
  rectangle net GND: 62.992,106.426 66.294,109.728
  rectangle net NetD38_A: 51.308,133.223 57.15,138.684
  text "2018-4-9 V1.0" at 31.623,120.904 h3
  text "到客" at 31.75,115.443 h3
Solder Side:
  rectangle net VCC4.0V: 169.799,85.725 174.498,110.871
  rectangle net VCC4.0V: 115.189,106.426 174.244,111.125
  rectangle net VCC4.0V: 113.919,106.807 123.825,118.618
  rectangle net VCC4.0V: 113.157,113.157 120.904,118.364

## Silkscreen, mask and mechanical layers (free items; w line width, h text height)
Top Overlay:
  lines w0.05: 29.591,136.398 33.655,136.398 ; 29.845,40.513 33.274,40.513 ; 33.274,36.703 33.274,40.513 ; 33.274,136.525 33.274,40.513 ; 33.401,136.398 172.339,136.398 ; 33.909,132.207 33.909,135.382 ; 64.135,52.959 117.526,52.959 ; 75.819,54.483 113.665,54.483 ; 112.395,54.483 188.595,54.483 ; 172.339,35.687 172.339,40.513 ; 175.641,135.255 175.641,138.557 ; 175.895,136.398 172.339,136.398 ; 176.784,40.513 172.339,40.513 ; 33.274,40.513 172.339,40.513 ; 172.339,40.513 172.339,136.398 ; 27.94,34.671 27.94,141.224 177.927,141.224 177.927,34.671 27.94,34.671

## Dimensions
27.94,141.224 to 177.927,141.224 on Top Overlay
27.94,141.224 to 27.94,34.671 on Top Overlay